# Altium PCB PCB.PcbDoc
Units mil, origin at the board's own origin, x right, y up, seen from the top; angles counter-clockwise.
Board outline 2495 x 1390 mil, 2 copper layers (Top Layer, Bottom Layer); 27 components, 16 nets, 67 pads, 0 vias.
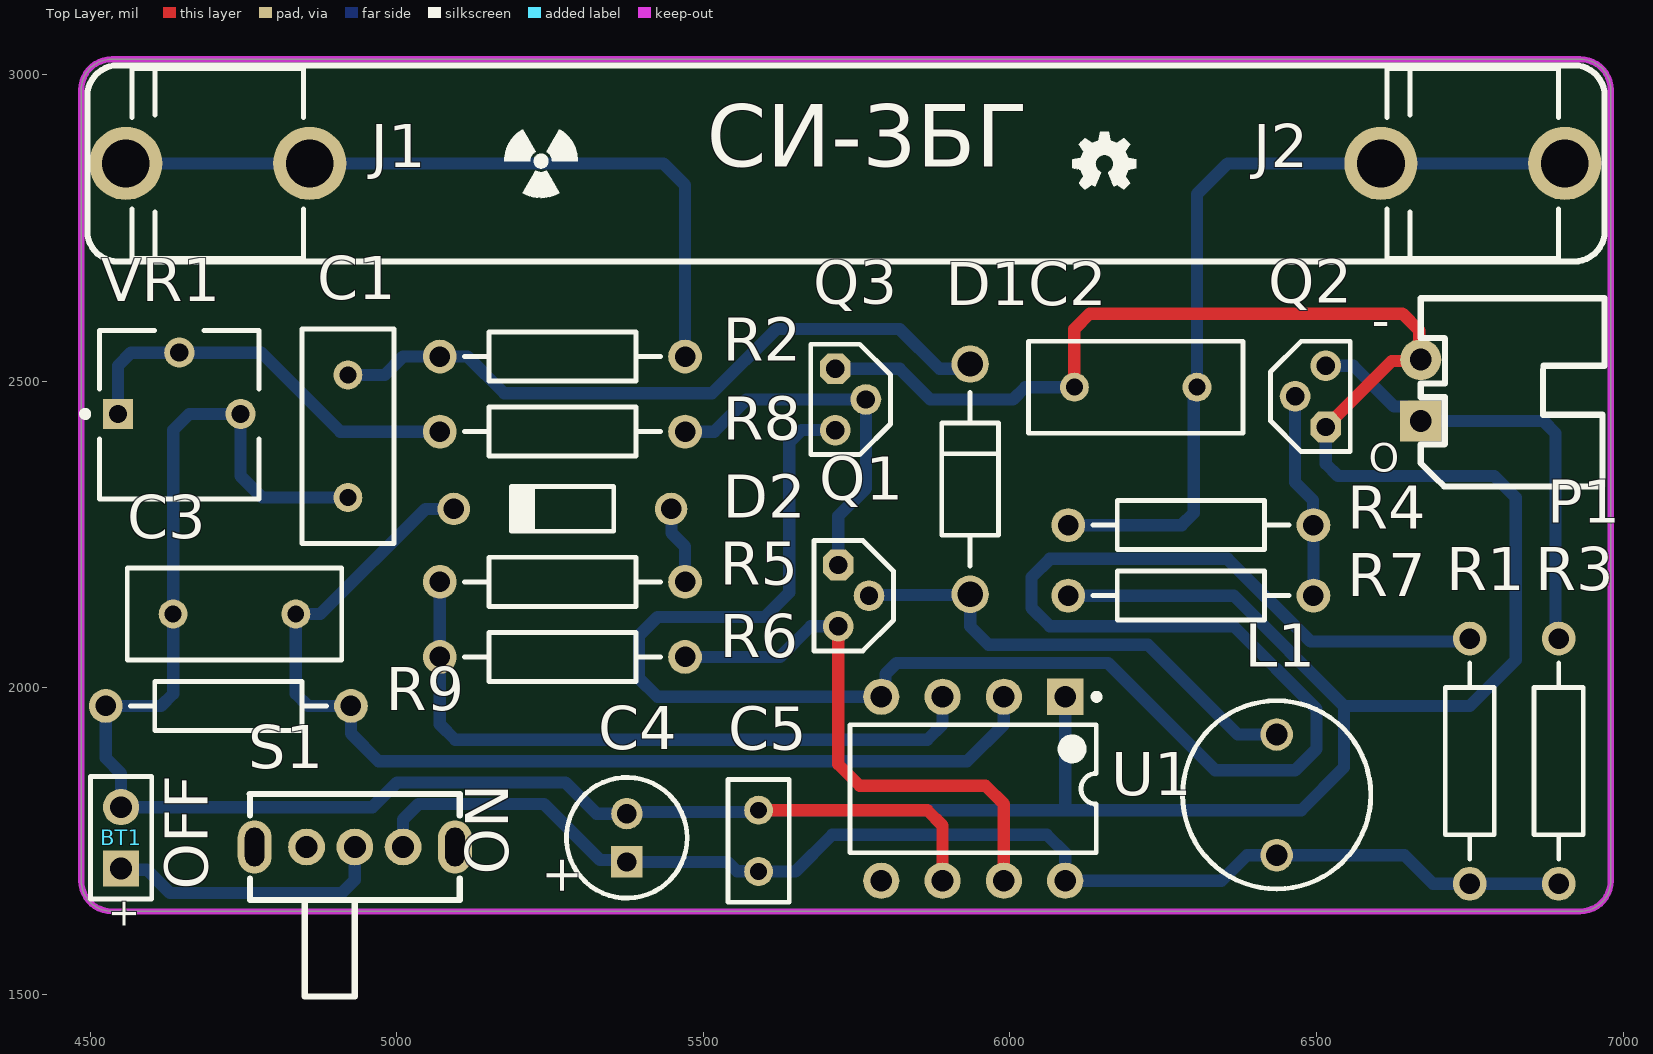
[diagram p0: Top Layer view]
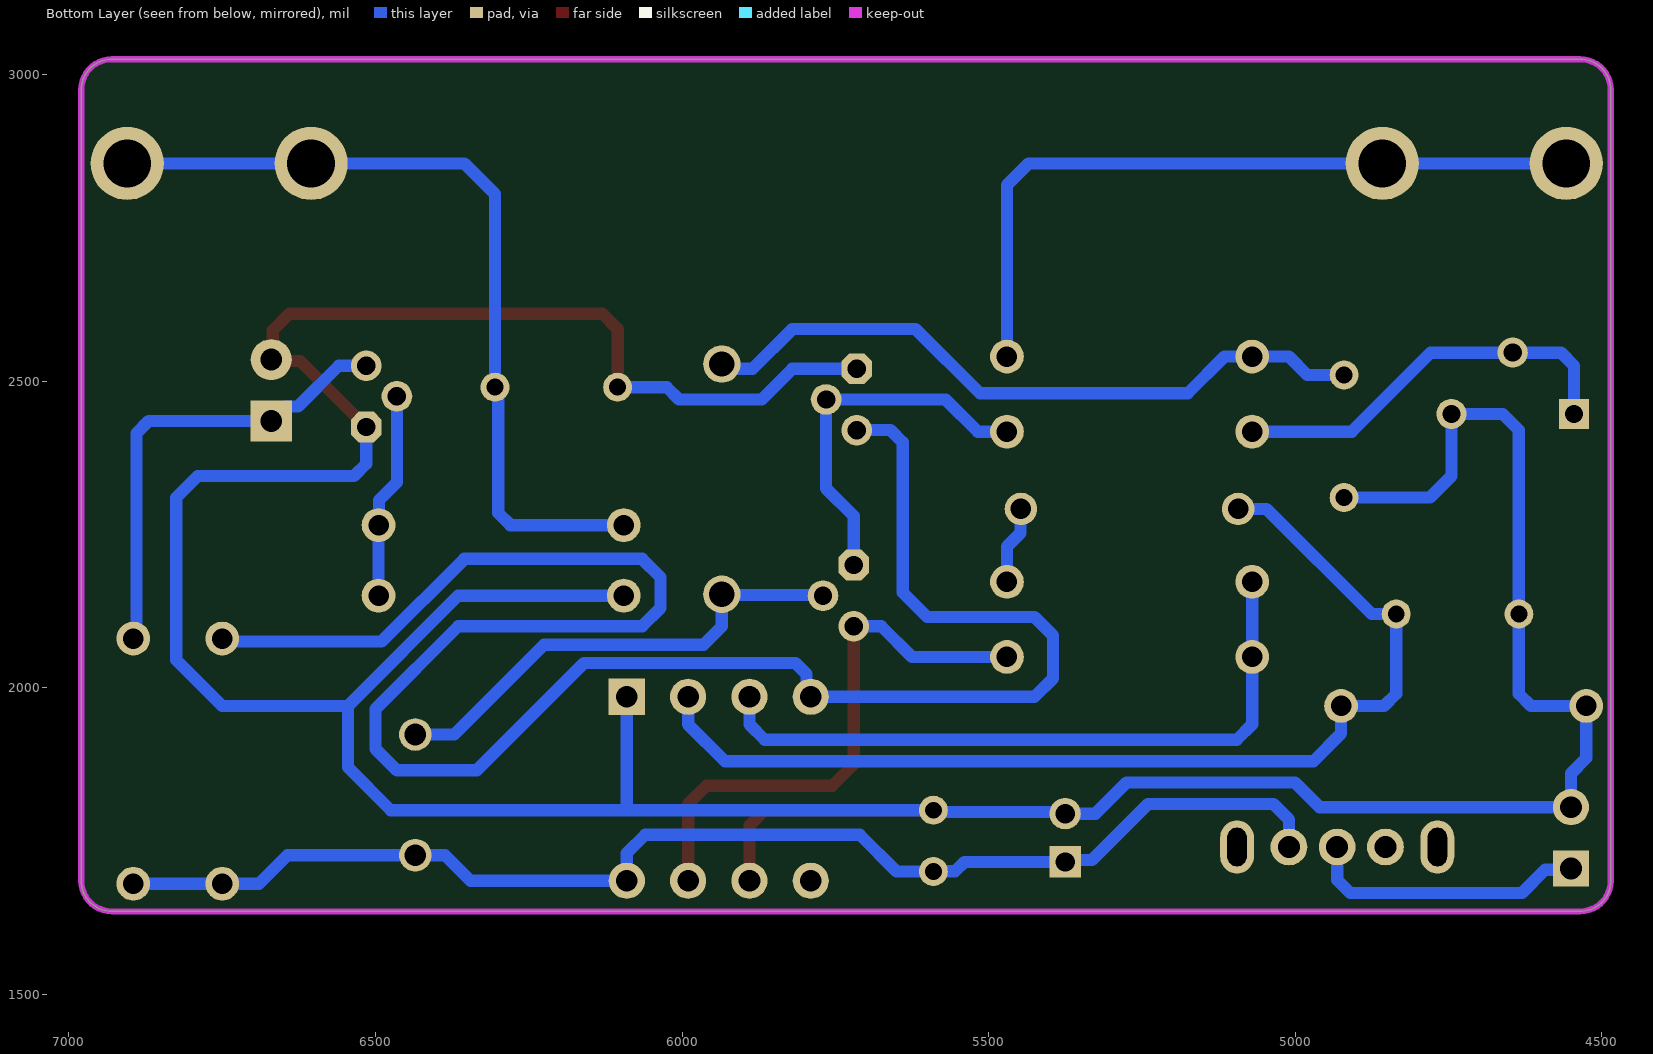
[diagram p1: Bottom Layer view, seen from below]

## Layer stack, top to bottom
Top Solder: solder mask 0.4, Solder Resist, Dk 3.5
Top Layer: signal copper 1.4
Dielectric 1: dielectric 12.6, FR-4, Dk 4.8
Bottom Layer: signal copper 1.4
Bottom Solder: solder mask 0.4, Solder Resist, Dk 3.5

## Board outline
4485,1685 4485,2975 cw(c4535,2975) 4535,3025 6930,3025 cw(c6930,2975) 6980,2975 6980,1685 cw(c6930,1685) 6930,1635 4535,1635 cw(c4535,1685)

## Design rules (kind name [scope] priority, off if disabled: settings)
Clearance [All] p1: gap=6 ignorepadtopadclearanceinfootprint=FALSE
PolygonConnect [All] p1: connectstyle=Relief reliefconductorwidth=10 reliefentries=4 polygonreliefangle="90 Angle" airgapwidth=10
RoutingVias [All] p1: holewidth=28 width=50 viastyle="Through Hole" minholewidth=28 minwidth=50 maxholewidth=28 maxwidth=50
SolderMaskExpansion [All] p1: expansion=4 istentingtop=FALSE
Width [All] p1: maxlimit=100 minlimit=10 preferedwidth=15
30 further rules are at their usual default settings.

## Components (designator, comment, footprint, x,y, rotation, side; value= is the part's Value field where it differs from the comment)
BT1 "Battery" BAT-2 4550,1755 r90 top
C1 "Cap" RAD-0.2 4920,2410 r90 top value=10nF
C2 "Cap" RAD-0.2 6205,2490 r0 top value=220pF
C3 "Cap" RAD-0.2 4735,2120 r0 top value=10nF
C4 "ECA1HM100" CAPPR55-200-1100X500X1200 5375,1755 r90 top
C5 "Cap" RAD-0.1 5590,1750 r270 top value=10nF
D1 "1N4937G" ONSC-AXIAL_LEAD-2-59-10_P 5935,2340 r270 top
D2 "1N4148" NXP-SOD27-2_V 5270,2291.42 r180 top
J1 "01020071Z" FP-102-MFG 4707.76,2855 r0 top
J2 "01020071Z" FP-102-MFG 6755,2855 r0 top
L1 "744742103" WE-TI-L 6435,1825 r90 top
P1 "HDR-1X2" XH2.54-2P_H 6670,2435 r90 top
Q1 "FJN3303FTA" TO92B 5770,2150 r270 top
Q2 "2N3904" TO92B 6465,2475 r90 top
Q3 "2N3904" TO92B 5765,2470 r270 top
R1 "Res2" AXIAL-0.4 6750,1880 r270 top value=100K
R2 "Res2" AXIAL-0.4 5270,2540 r180 top value=4.7M
R3 "Res2" AXIAL-0.4 6895,1880 r270 top value=10K
R4 "Res2" AXIAL-0.4 6295,2265 r180 top value=22K
R5 "Res2" AXIAL-0.4 5270,2172.5 r180 top value=1K
R6 "Res2" AXIAL-0.4 5270,2050 r0 top value=330
R7 "Res2" AXIAL-0.4 6295,2150 r0 top value=100K
R8 "Res2" AXIAL-0.4 5270,2417.5 r0 top value=15
R9 "Res2" AXIAL-0.4 4725,1970 r0 top value=220K
S1 "SW-SPDT" SW-TH_SK12D07VG4 4931.26,1740 r0 top
U1 "NE555P" P0008A 5940,1835 r270 top
VR1 "3362P-1-100LF" BOUR-3362P 4645,2445 r0 top

## Footprints (in the part's own frame and the unit in brackets; to place one, negate y for a bottom-side part, rotate by r counter-clockwise, add the part's x,y. Pads: shape width x height; smd on the part's side, far side on the other; paste and mask are expansions set on the pad)
AXIAL-0.4 [mm] "Axial Device, Thru-Hole; 2 Leads; 0.4 in Pin Spacing"
  round 1.4 hole 0.85: 1(-5.08,0) 2(5.08,0)
  silkscreen extent -4.06,-1.02 4.06,1.02
BAT-2 [mm] "Battery; 2 Leads"
  rect 1.5x1.5 hole 0.9: 1(-1.27,0)
  round 1.5 hole 0.9: 2(1.27,0)
  silkscreen extent -2.54,-1.27 2.54,1.27
BOUR-3362P [mm] "THD, 3-Leads, Body 6.6x6.99mm, Pitch 2.54mm"
  rect 1.25x1.25 hole 0.75: 1(-2.54,0.035)
  round 1.25 hole 0.75: 2(0,2.575) 3(2.54,0.035)
  silkscreen extent -4.02,-3.49 3.3,3.5, body extent -3.3,-3.49 3.3,3.49, height 4.95
CAPPR55-200-1100X500X1200 [mm] "THD, 2-Leads, Dia 5mm, Body Length 11mm"
  rect 1.3x1.3 hole 0.8: 1(-1,0)
  round 1.3 hole 0.8: 2(1,0)
  silkscreen extent -2.5,-2.5 2.5,2.5, body extent -2.5,-2.5 2.5,2.5, height 12
FP-102-MFG [mm]
  round 3.03 hole 1.98 paste-1000 mask+0: 1(-3.81,0) 1(3.81,0)
  silkscreen extent -3.55,-3.94 3.55,3.94, body extent -5.43,-4.04 5.43,4.04, height 0.25
NXP-SOD27-2_V [mm] "SOD27, 2-Leads, Dia 1.85mm, Body Length 4.25mm, Pin Spacing 9mm"
  round 1.35 hole 0.85: 1(-4.5,0) 2(4.5,0)
  silkscreen extent -2.12,-0.93 2.12,0.92, body extent -4.78,-0.92 4.78,0.92, height 1.84
ONSC-AXIAL_LEAD-2-59-10_P [mm] "AXIAL, 2-Leads, Diameter 2.35mm"
  round 1.55 hole 1.05: 1(-4.77,0) 2(4.77,0)
  silkscreen extent -3.59,-1.17 3.59,1.17
P0008A [mm] "DIP, 8-Leads, Body 10.15x6.6mm, Pitch 2.54mm"
  rect 1.5x1.5 hole 0.9: 1(-3.81,3.81)
  round 1.5 hole 0.9: 2(-3.81,1.27) 3(-3.81,-1.27) 4(-3.81,-3.81) 5(3.81,-3.81) 6(3.81,-1.27) 7(3.81,1.27) 8(3.81,3.81)
  silkscreen extent -3.93,-5.1 2.65,5.24, body extent -3.95,-5.07 3.95,5.07, height 5.08
RAD-0.1 [mm] "Radial Cap, Thru-Hole; 2 Leads; 0.1 in Pin Spacing"
  round 1.2 hole 0.7: 1(-1.27,0) 2(1.27,0)
  silkscreen extent -2.54,-1.27 2.54,1.27
RAD-0.2 [mm] "Radial Cap, Thru-Hole; 2 Leads; 0.2 in Pin Spacing"
  round 1.2 hole 0.7: 1(-2.54,0) 2(2.54,0)
  silkscreen extent -4.44,-1.91 4.44,1.91
SW-TH_SK12D07VG4 [mil]
  round 60 hole 36: 1(-78.74,0) 2(0,0) 3(78.74,0)
  oval 55.12x86.61 hole 31.5 slot 62.99 at 90 deg: 4(163.38,0) 5(-163.39,0)
  silkscreen extent -171,-244 171,87
TO92B [mil] "92晶体管"
  oct 50x50 hole 30: 1(-50,-50)
  round 50 hole 30: 2(0,0) 3(50,-50)
  silkscreen extent -90,-90 90,40, body extent -91,-101 91,41, height 118
WE-TI-L [mm] "THT Inductor, 2-Leads, Body 8,0  mm"
  round 1.35 hole 0.9: 1(-2.5,0) 2(2.5,0)
  silkscreen extent -3.9,-3.9 3.9,3.9, body extent -3.9,-3.9 3.89,3.9, height 9.5
XH2.54-2P_H [mm] "接插件，2P"
  rect 1.7x1.7 hole 0.9: 1(0,0)
  round 1.7 hole 0.9: 2(2.54,0)
  silkscreen extent -2.72,-7.62 5.08,0, body extent -2.5,-7.35 5.04,0.35, height 5.73

## Part data
BT1: "Multicell Battery", LatestRevisionDate=17-Jul-2002, LatestRevisionNote="Re-released for DXP Platform.", PackageDescription="Battery; 2 Leads", PackageReference=BAT-2, Published=24-Mar-1999, Publisher="Altium Limited"
C1 C2 C3 C5: "Capacitor", LatestRevisionDate=17-Jul-2002, LatestRevisionNote="Re-released for DXP Platform.", PackageDescription="Radial Cap, Thru-Hole; 2 Leads; 0.3 in Pin Spacing", PackageReference=RAD-0.3, Published=8-Jun-2000, Publisher="Altium Limited"
C4: library part CMP-1665-00038-2, "Aluminum Electrolytic Capacitor, 10 uF, +/- 20%, 50 V, -40 to 85 degC, 2-Pin THD, RoHS, Bulk", Capacitance=10uF, Case/Package=Radial, Dielectric Material=Aluminium, Leakage Current=3uA, Manufacturer=Panasonic, Max Operating Temperature=85degC, Min Operating Temperature=-40degC, Package Description="2-Pin Radial Lead, Dia 5 mm, Height 12 mm", Package Quantity=200, Package Reference=CAPPR55-200-1100X500X1200, Ripple Current=65mA, Tolerance=20%, Voltage=50V, Datasheet URL=https://industrial.panasonic.com/cdbs/www-data/pdf/RDF0000/ABA0000C1218.pdf, Datasheet Version="Rev. 05, 10/2016", Diameter=5mm, Dissipation Factor=0.12%, Height=11mm, Height - Seated (Max)=0.472inch, Lead Diameter=0.5mm, Lead Free=LeadFree, Lead Pitch=2mm, Lead/Base Style=Straight, Length=11mm, Life (Hours)=2000Hour, Manufacturer URL=http://www.panasonic.com/, Mount=ThroughHole, Number of Pins=2, Packaging=Bulk, Radiation Hardening=No, REACH SVHC=NoSVHC, Ripple Current (AC)=65mA, RoHSCompliant=true, Termination=Radial, Voltage Rating=50V, Voltage Rating (DC)=50V
D1: library part CMP-0902-00178-1, "Fast-Recovery Rectifier, 2-Pin Axial_Lead, Pb-Free, Bulk Bag", Manufacturer="On Semiconductor", ComponentLink1Description="Manufacturer URL", ComponentLink1URL=http://www.onsemi.com/, ComponentLink2Description=Datasheet, ComponentLink2URL=http://www.onsemi.com/pub_link/Collateral/1N4933-D.PDF, ComponentLink3Description="Package Specification", ComponentLink3URL=http://www.onsemi.cn/pub_link/Collateral/59-10.PDF, DatasheetVersion="Rev. 12", IFSM Max (A)=30, IO(rec) Max (A)=1, Mounting Technology="Through Hole", PackageDescription="2-Pin, Axial Lead, Diameter 2.35 mm", PackageReference=AXIAL_LEAD-2-59-10, PackageVersion="Rev. U, 02/2005", Packing="Bulk Bag", PartNumber=1N4937G, RoHS=TRUE, Type="Fast Recovery", VRRM Max (V)=600
D2: library part CMP-0648-00002-1, "High-speed Diode, 100 V, 450 mA, 2-Pin SOD27, RoHS", Manufacturer="NXP Semiconductors", Cd="4 pF Max.", ComponentLink1Description="Manufacturer URL", ComponentLink1URL=http://www.nxp.com/, ComponentLink2Description=Datasheet, ComponentLink2URL=http://www.nxp.com/documents/data_sheet/1N4148_1N4448.pdf, ComponentLink3Description="Package Specification", ComponentLink3URL=http://www.nxp.com/documents/data_sheet/1N4148_1N4448.pdf, Configuration=Single, DatasheetVersion=Aug-04, IF="200 mA Max.", IFRM="450 mA", IFSM="4 A Max.", IR (VR="20 V)=25 nA", Mounting Technology="Through Hole", PackageDescription="2-Pin Hermetically Sealed Glass Package, Axial Leaded, Dia 1.85 mm, Body Length 4.25 mm, Lead Spread 25.4 mm", PackageReference=SOD27, PackageVersion=Aug-04, PartNumber=1N4148, RoHS=TRUE, Trr="4 ns Max.", VF (IF="10 mA)=1 V", VR="100 V Max."
J1 J2: library part CMP-08604-000017-1, "FUSE CLIP CARTRIDGE 250V 15A PCB", Fuse Current=15A, Manufacturer="Littelfuse Inc", Package=102, Voltage Rating Ac=250V, Automotive=No, Category=Fuse, ComponentLink2Description=Datasheet, ComponentLink2URL=https://www.littelfuse.com/~/media/electronics/datasheets/fuse_clips/littelfuse_fuse_clip_102_122_datasheet.pdf.pdf, Conn Orientation=Vertical, Device Class L1="Circuit Protection", Device Class L2="Fuse Holders", Device Class L3=unset, Digikey Description="FUSE CLIP CARTRIDGE 250V 15A PCB", Height=10.67mm, Is Female=yes, Lead Free=Yes, Manufacturer Part Number=01020071Z, Mouser Description="Fuse Clips ACS 3AG PC CLIP", Number Of Fuses=1, Octopart=https://octopart.com/01020071z-littelfuse-18837869, RoHS=TRUE, Voltage Rating Dc=250V
L1: library part CMP-1405-00035-1, "Radial Leaded Wire Wound Inductor WE-TI, L=10000 µH", Inductance="10000 ÂµH", Manufacturer="Wuerth Elektronik", ComponentLink1Description="Manufacturer URL", ComponentLink1URL=http://www.we-online.com, ComponentLink2Description=Datasheet, ComponentLink2URL=http://www.we-online.de/katalog/media/pdf/744742103.pdf, PackageDescription="THT Inductor, 2-Leads, Body 7.8 x 7.8 mm", PackageReference=WE-TI-L, PartNumber=744742103
P1: library part "Header 2", "2P接插件", BOM名称=2P接插件, 学习资源=www.ooocke.com, 版权归属=源创客
Q1 Q2 Q3: library part 8050-DIP, "高频放大-NPN型", BOM名称=高频放大-NPN型, 学习资源=www.ooocke.com, 属性="40V 1.5A 1W 100MHZ", 版权归属=源创客
R1 R2 R3 R4 R5 R6 R7 R8 R9: "Resistor", LatestRevisionDate=17-Jul-2002, LatestRevisionNote="Re-released for DXP Platform.", PackageDescription="Axial Device, Thru-Hole; 2 Leads; 0.4 in Pin Spacing", PackageReference=AXIAL-0.4, Published=8-Jun-2000, Publisher="Altium Limited"
S1: "SPDT Subminiature Toggle Switch, Right Angle Mounting, Vertical Actuation", ComponentLink1Description="Manufacturer Link", ComponentLink1URL=http://www.apem.com, DatasheetVersion=05-Dec-2000, LatestRevisionDate=17-Dec-2003, LatestRevisionNote="Schematic revised, PCB Footprint replaced.", PackageDescription="Switch; 4 Leads", PackageReference=TL36WW15050, Published=24-Mar-1999, Publisher="Altium Limited"
U1: library part CMP-2000-04954-1, "Precision Timer, 4.5 to 16 V, 0 to 70 degC, 8-Pin DIP, Pb-Free, Tube", Manufacturer=TexasInstruments, Maximum High Level Output Current=-200mA, Maximum Low Level Output Current=200mA, Operating Supply Voltage=5, Package=8PDIP, Package Description="8-Pin Double In-line Package, Body 9.59 x 6.35 mm, Pitch 2.54 mm", Package Reference=P8, Category=Timer, Datasheet URL=http://www.ti.com/general/docs/lit/getliterature.tsp?genericPartNumber=NE555&fileType=pdf, Datasheet Version="Rev. I, 09/2014", Manufacturer URL=http://www.ti.com/, Number of Internal Timers=1, Package URL=http://www.ti.com/lit/ml/mpdi001b/mpdi001b.pdf, Packaging=Rail/Tube, Rad Hard=No, Type=Standard
VR1: library part CMP-1747-00004-1, "Res Cermet Trimmer 10 Ohm 10% 1/2W 1(Elec)/1(Mech)Turn 2.77mm (6.6 X 6.99 X 4.7mm) Pin Thru-Hole Tube", Case Code (Imperial)=0612, Case Code (Metric)=1632, Case/Package=1206, Max Operating Temperature=125degC, Min Operating Temperature=-25degC, Package Quantity=5000, Power Rating="500 mW", Resistance="50 mohm", Tolerance=1%, Voltage Rating="220 mV", ComponentLink1Description="Manufacturer URL", ComponentLink1URL=http://www.bourns.com/, ComponentLink2Description=Datasheet, ComponentLink2URL=http://www.bourns.com/docs/Product-Datasheets/3362.pdf, DatasheetVersion=May-16, Height="0.6 mm", Length="3.2 mm", Mount="Surface Mount", PackageDescription="3-Pin Through Hole Device, Body 6.6 x 6.99 mm, Pitch 2.54 mm", PackageReference=3326P, Packaging="Tape and Reel", Pins=2, REACH SVHC="No SVHC", RoHSCompliant=True, Width="1.6 mm"

## Nets (pads, with @x,y where several pads share a name; then routed paths per layer and width w, separated by ;. In a path a pad name is that pad's centre, name@x,y a point inside that pad or via, vN(x,y) a via of type N, cw(c..) or ccw(c..) an arc to the next point about the centre after c; other vN are vias at no path point)
GM_PULSE: P1.1 Q2.3 R3.1 | length 757.6
  Bottom Layer w20: Q2.3 6560,2525 6626.54,2458.46 6646.54,2458.46 P1.1 6870,2435 6890,2415 6890,2085 R3.1
GND: BT1.2 C1.1 C2.1 C3.1 C4.2 C5.1 P1.2 Q2.1 Q3.1 R7.1 R9.1 U1.1 U1.6 VR1.3 | length 6725.4
  Top Layer w20: C5.1 5865,1800 5890,1775 U1.6 ; C2.1 6105,2585 6130,2610 6640,2610 6667.62,2582.38 6667.62,2537.38 P1.2 6667.62,2532.62 6622.62,2532.62 Q2.1
  Bottom Layer w20: C1.1 4780,2310 4745,2345 VR1.3 4661.38,2446.38 4635,2420 C3.1 4635,1990 4615,1970 R9.1 4525,1885 4550,1860 BT1.2 4960,1805 5000,1845 5275,1845 5325.63,1794.37 C4.2 5377.81,1797.18 5587.19,1797.18 C5.1 6090,1800 ; Q3.1 5820,2520 5870,2470 6005,2470 6025,2490 C2.1 ; U1.1 6090,1800 ; R7.1 6365,2150 6545,1970 ; Q2.1 6515,2365 6535,2345 6790,2345 6825,2310 6825,2045 6750,1970 6545,1970 ; 6090,1800 6475,1800 6545,1870 6545,1970
NetBT1_1: BT1.1 S1.2 | length 460.4
  Bottom Layer w20: BT1.1 4552.09,1702.91 4592.09,1702.91 4630,1665 4910,1665 4931.26,1686.26 S1.2
NetC1_2: C1.2 D1.1 R2.2 | length 1125.9
  Bottom Layer w20: C1.2 4980,2510 5010,2540 R2.2 5115,2540 5175,2480 5514,2480 5619,2585 5820,2585 5885,2520 5927.2,2520 D1.1
NetC2_2: C2.2 J2.1 R4.2 | length 1356.1
  Bottom Layer w20: R4.2 6280,2265 6299.79,2284.79 6299.79,2484.79 C2.2 6305,2805 6355,2855 6605,2855 J2.1@6905,2855
NetC3_2: C3.2 D2.2 R9.2 U1.2 | length 1755.6
  Bottom Layer w20: D2.2 5046.42,2291.42 4875,2120 C3.2 4835,1990 4855,1970 R9.2 4925,1925 4970,1880 5930,1880 5990,1940 U1.2
NetD1_2: D1.2 L1.2 Q1.2 | length 791.3
  Bottom Layer w20: Q1.2 5771.1,2151.1 5933.9,2151.1 D1.2 5935,2100 5965,2070 6225,2070 6371.57,1923.43 L1.2
NetD2_1: D2.1 R5.1 | length 128.4
  Bottom Layer w20: D2.1 5447.88,2290.7 5447.88,2252.12 5470,2230 R5.1
NetJ1_1: J1.1 R2.1 | length 1206.7
  Bottom Layer w20: J1.1@4557.76,2855 4857.76,2855 5435,2855 5470,2820 R2.1
NetQ1_1: Q1.1 Q3.2 R8.2 | length 605.4
  Bottom Layer w20: R8.2 5517.5,2417.5 5570,2470 Q3.2 5765,2325 5720,2280 Q1.1
NetQ1_2: Q1.3 R6.2 U1.7 | length 917.6
  Top Layer w20: Q1.3 5720,1875 5755,1840 5960,1840 5990,1810 U1.7
  Bottom Layer w20: R6.2 5625,2050 5675,2100 Q1.3
NetQ2_2: Q2.2 R4.1 R7.2 | length 337.4
  Bottom Layer w20: Q2.2 6465,2335 6494.3,2305.7 6494.3,2265.7 R4.1 R7.2
NetQ3_3: Q3.3 R1.1 U1.4 | length 3350.8
  Bottom Layer w20: Q3.3 5660,2420 5640,2400 5640,2155 5600,2115 5425,2115 5395,2085 5395,2015 5425,1985 U1.4 5797.09,1992.09 5797.09,2022.09 5815,2040 6160,2040 6335,1865 6465,1865 6500,1900 6500,1965 6365,2100 6065,2100 6035,2130 6035,2180 6065,2210 6355,2210 6490,2075 6745,2075 R1.1
NetR5_2: R5.2 R6.1 U1.3 | length 1118.2
  Bottom Layer w20: R5.2 R6.1 5070,1940 5095,1915 5865,1915 5890,1940 U1.3
NetR8_1: R8.1 VR1.1 VR1.2 | length 665.9
  Bottom Layer w20: VR1.1 4545,2525 4566.38,2546.38 4778.62,2546.38 4907.5,2417.5 R8.1
VCC: C4.1 C5.2 L1.1 R1.2 R3.2 S1.3 U1.8 | length 2104.7
  Bottom Layer w20: S1.3 5010,1785 5035,1810 5240,1810 5331.13,1718.87 5371.76,1718.87 C4.1 5539.37,1715.63 5554.58,1700.42 5589.58,1700.42 C5.2 5650,1700 5710,1760 6060,1760 6090,1730 U1.8 6345,1685 6386.57,1726.57 L1.1 6643.43,1726.57 6690,1680 R1.2 R3.2
pads on no net: S1.1 S1.4 S1.5 U1.5

## Keep-outs
Keep-Out Layer:
  the board outline again, w10

## Silkscreen, mask and mechanical layers (free items; w line width, h text height)
Top Overlay:
  drawing of 13 lines, arcs and shapes, not listed
  text "CИ-3БГ" at 5505,2816.13 h175
  text "-" at 6590,2570.01 h60
  text "O" at 6585,2336.18 h80
  text "ON" at 5204.22,1695 h120 r90
  text "OFF" at 4714.22,1670 h120 r90

## Text inside footprints (layer, text, board x,y; h text height)
BT1: Top Overlay "+" at 4575,1605 h45.28 r90
C4: Top Overlay "+" at 5295,1659.37 h59.06 r90